# KiCad board MasterController.kicad_pcb (continued)
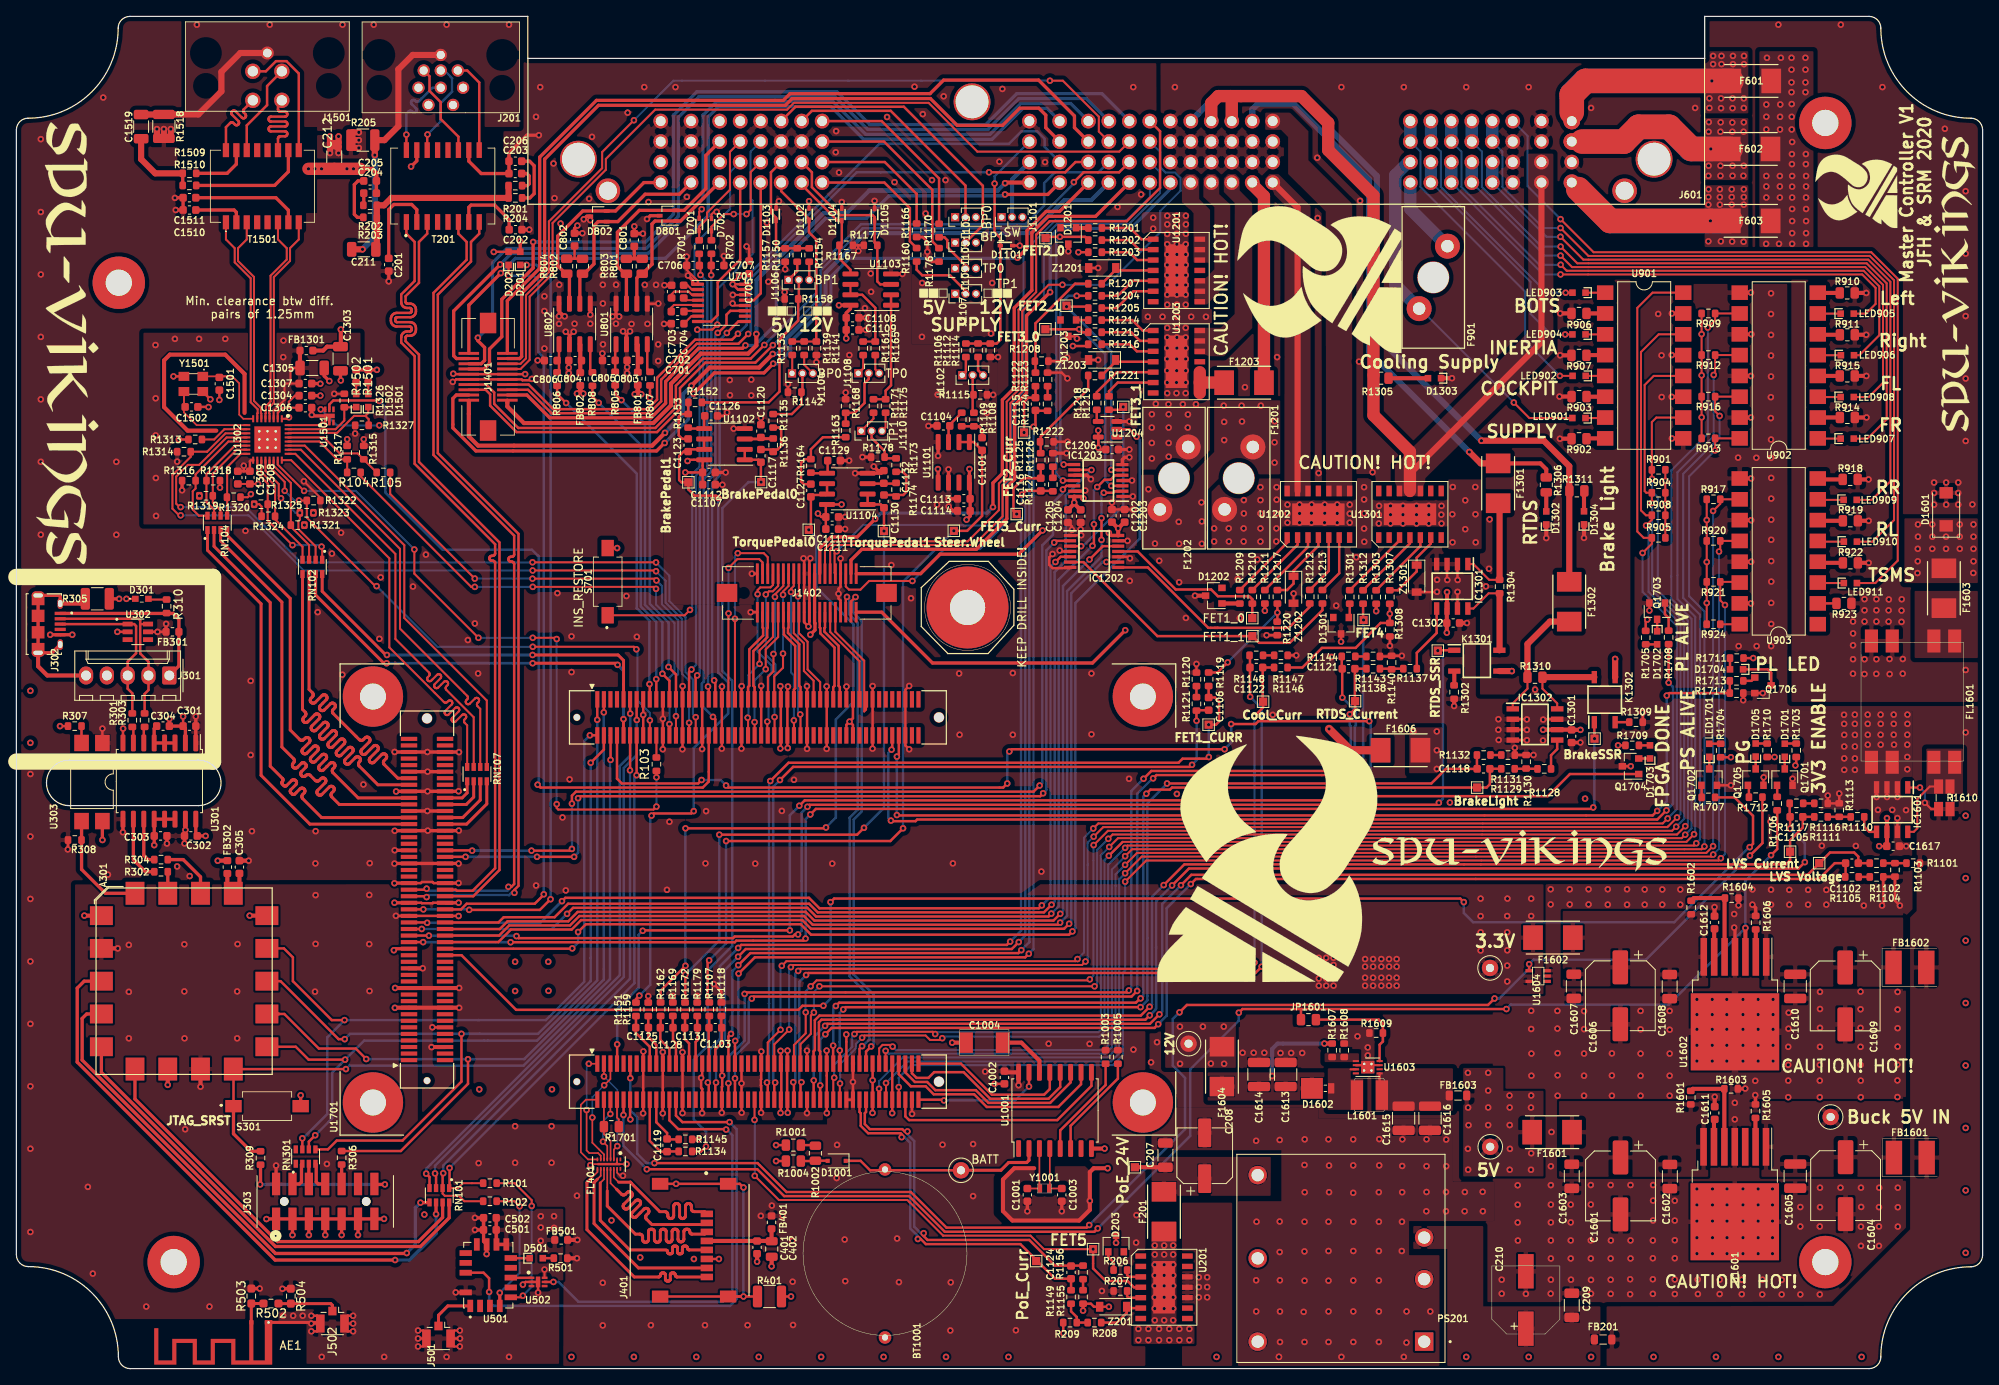
[diagram p0: board, top side]
## Routing (per net, layer and track width the routed paths; a pad name or vN(x,y) marks a point on that pad's centre or on a via; arc(x,y) is an arc through that point) (continued)
/Driverless/TXD2: length 51.5
  Top w0.25: U1302.26 34.72,112.12 46.83,100.02 46.83,90.3 55.03,82.09 55.07,82.04 55.1,81.98 55.11,81.91 55.11,81.85 55.1,81.78 55.07,81.72 55.03,81.67 54.93,81.58 54.89,81.52 54.86,81.46 54.85,81.4 54.85,81.33 54.86,81.26 54.89,81.2 54.93,81.15 54.99,81.11 55.05,81.08 55.11,81.06 55.18,81.06 55.24,81.08 55.31,81.11 55.36,81.15 55.97,81.76 56.02,81.8 56.08,81.83 56.15,81.85 56.21,81.85 56.28,81.83 56.34,81.8 56.39,81.76 56.44,81.71 56.46,81.65 56.48,81.58 56.48,81.52 56.46,81.45 56.44,81.39 56.39,81.34 56.3,81.24 56.26,81.19 56.23,81.13 56.21,81.07 56.21,81 56.23,80.93 56.26,80.87 56.3,80.82 56.62,80.5 RN107.6
/Driverless/TXD3: length 50.4
  Top w0.25: U1302.27 35.2,112.62 47.35,100.48 47.35,91.59 57.42,81.52 RN107.5
/Driverless/TXN: length 25.5
  Top w0.25: U1302.4 30.9,116.54 30.85,116.59 30.85,117.27 31.42,117.84 31.42,133.19 33.4,135.17 33.4,136.71 34.47,137.78 T1501.8
/Driverless/TXP: length 25.5
  Top w0.25: T1501.6 31.93,137.78 33,136.71 33,135.33 31.02,133.36 31.02,118.01 30.45,117.43 30.45,116.59 30.4,116.54 U1302.5
/Driverless/XI: length 12.8
  Top w0.2: U1302.9 22,115.12 20.45,116.67 20.45,119.22 20.45,117.5 C1502.1
/Driverless/XO: length 12.2
  Top w0.2: C1501.1 24.9,121.08 26.35,121.08 ; 26.35,121.08 Y1501.1 ; 26.35,121.08 27.2,120.22 27.2,116.4 27.7,115.9 U1302.8
/EEPROM/SCK_NVSRAM: length 25
  Top w0.3: U1001.11 128.68,34.92 126.18,32.42 118.66,32.42 117.11,33.97 112.17,33.97 111.17,34.97 109.67,34.97 108.51,36.13 U1701.JX2.95
/EEPROM/SI_NVSRAM: length 23.5
  Top w0.3: U1701.JX2.97 109.31,36.04 109.88,35.47 111.32,35.47 112.03,36.18 115.62,36.18 118.87,32.92 125.97,32.92 127.41,34.36 U1001.12
/EEPROM/SO_NVSRAM: length 19.9
  Top w0.3: U1001.13 126.14,34.12 125.45,33.43 119.07,33.43 115.28,37.22 U1701.JX2.99
/INS/GPS_PPS: length 13.6
  Top w0.25: v1(89.12,140.88) 89.62,141.37 89.62,146 90.85,147.22 ; R702.2 84.83,139.34 86.38,140.88 v1(87.55,140.88)
  Bottom w0.25: v1(87.55,140.88) v1(89.12,140.88)
/JTAG_UART Module/D+: length 20.7
  Top w0.3: R301.2 14.15,82.4 13.59,82.97 J301.3 13.59,86.26 14.61,87.28 14.61,90.62 14.38,90.85 U302.1 J302.3
/JTAG_UART Module/D-: length 22.8
  Top w0.3: 15.11,90.84 15.12,90.85 U302.6 ; 15.11,90.84 15.11,87.27 16.12,86.25 J301.2 16.12,82.8 15.65,82.33 R303.2 ; 15.11,90.84 15.11,91.29 14.9,91.5 J302.2
/JTAG_UART Module/DD+: length 8.1
  Top w0.4: U301.10 14.28,62.09 15.74,60.63 R302.2
/JTAG_UART Module/DD-: length 5.9
  Top w0.4: U301.11 15.55,62.62 16.06,62.11 R304.2
/JTAG_UART Module/JTAG_SRST: length 92.4
  Top w0.3: U1701.JX1.6 72.53,77.25 v1(72.53,74.28) ; S301.1 26.5,36.53 A301.9 v1(40.22,36.55)
  Top w0.4: 72.5,77.25 U1701.JX1.6 ; S301.1 26.5,28.65 28.62,26.53 R309.1
  Bottom w0.3: v1(40.22,36.55) 40.64,36.97 61.9,36.97 72.46,47.53 72.46,74.21 v1(72.53,74.28)
  Bottom w0.4: v1(72.53,74.28) 72.5,74.3
/JTAG_UART Module/JTAG_TCK: length 92.1
  Top w0.3: v1(70.9,79.17) 70.9,81.66 U1701.JX1.1 ; v1(36.48,28.47) 35.7,27.7 RN301.6 ; A301.10 34.1,39.28 35.67,37.7 v1(40.12,37.7)
  Bottom w0.3: v1(36.48,28.47) 38.55,30.55 38.55,36.12 v1(40.12,37.7) 42.45,40.03 57.52,40.03 63.54,40.03 70.9,47.38 70.9,79.17 v1(70.9,79.17)
/JTAG_UART Module/JTAG_TDI: length 105.4
  Top w0.3: U1701.JX1.4 71.71,75.53 v1(70.1,73.92) ; A301.12 32.25,47.28 39.33,40.2 v1(40.08,40.2) ; v1(54.33,40.85) 54.33,35.03 47.12,27.82 39.1,27.82 38.03,26.75 RN301.5
  Bottom w0.3: 56.58,40.85 40.72,40.85 v1(40.08,40.2) ; 56.58,40.85 63.66,40.85 70.1,47.29 70.1,50.13 ; 56.58,40.85 v1(54.33,40.85) ; v1(70.1,73.92) 70.1,50.13 ; 70.1,50.13 70.09,50.12
/JTAG_UART Module/JTAG_TDO: length 104.9
  Top w0.3: U1701.JX1.3 71.71,80.08 v1(71.7,80.08) ; A301.11 32.7,43.28 36.92,39.05 41.42,39.05 v1(42.7,37.78) ; R306.2 46.93,26.55 55.12,34.75 v1(55.12,37.75)
  Top w0.4: A301.11 32,43.28
  Bottom w0.3: 71.7,48.76 71.7,47.47 62,37.77 42.7,37.77 v1(42.7,37.78) ; 71.7,48.76 v1(71.7,80.08) ; 71.7,48.76 71.71,48.75
/JTAG_UART Module/JTAG_TMS: length 95.2
  Top w0.3: v1(40.05,42.53) 38.5,42.53 33.75,47.28 33.75,50.18 32.65,51.28 A301.13 ; v1(34.9,28.1) RN301.7 ; U1701.JX1.2 70.9,77.28 v1(70,77.28)
  Bottom w0.3: v1(70,77.28) 69.31,76.58 69.31,47.21 64.63,42.53 v1(40.05,42.53) 37.95,40.42 37.95,31.06 34.99,28.1 v1(34.9,28.1)
/JTAG_UART Module/UART_CTS: length 71.3
  Top w0.4: A301.3 8.27,47.28 7.42,46.42 7.42,37.4 31.58,13.25 v1(46.22,13.25) ; RN101.6 v1(51.22,18.85)
  Bottom w0.4: v1(51.22,18.85) 51.22,16.49 47.98,13.25 v1(46.22,13.25)
/JTAG_UART Module/UART_RTS: length 65
  Top w0.4: v1(49.33,20.25) 50.4,20.25 RN101.5 ; A301.4 8.57,43.28 8.02,42.73 8.02,37.65 31.63,14.05 47.6,14.05 v1(47.65,14.1)
  Bottom w0.4: v1(49.33,20.25) 48.7,19.62 48.7,15.15 v1(47.65,14.1)
/JTAG_UART Module/UART_RXD: length 57.7
  Top w0.4: A301.5 10.38,36.15 31.63,14.9 49.32,14.9 52.83,18.4 RN101.8
/JTAG_UART Module/UART_TXD: length 51.5
  Top w0.4: A301.6 14.48,32.9 31.87,15.5 49.08,15.5 52.03,18.45 RN101.7
/JTAG_UART Module/UD+: length 2
  Top w0.3: U301.7 14.28,78.17 R301.1
/JTAG_UART Module/UD-: length 2
  Top w0.3: U301.6 15.55,78.2 R303.1
/JTAG_UART Module/USB_D_N: length 6.9
  Top w0.4: A301.16 22.48,60 20.37,62.11 R304.1
/JTAG_UART Module/USB_D_P: length 2.6
  Top w0.4: R302.1 18.48,58 A301.17
/JTAG_UART Module/VB: length 22.1
  Top w0.4: J302.1 19.12,92.15 19.84,91.44 FB301.1 19.84,85.75 J301.1
/Liveview/ETH0_RX_N: length 11.8
  Top w0.3: v1(47.6,150.57) 47.61,150.57 T201.16
  Bottom w0.3: v1(47.6,150.57) 47.6,153.12 47.88,153.4 47.93,153.44 47.99,153.47 48.05,153.48 48.12,153.48 48.19,153.47 48.25,153.44 48.3,153.4 48.34,153.36 48.39,153.32 48.45,153.29 48.52,153.27 48.59,153.27 48.65,153.29 48.71,153.32 48.76,153.36 48.81,153.41 48.84,153.47 48.85,153.54 48.85,153.61 48.84,153.67 48.81,153.73 48.76,153.78 48.26,154.29 48.22,154.34 48.19,154.4 48.17,154.47 48.17,154.53 48.19,154.6 48.22,154.66 48.26,154.71 48.31,154.75 48.37,154.78 48.44,154.8 48.51,154.8 48.57,154.78 48.63,154.75 48.69,154.71 48.72,154.67 48.78,154.63 48.84,154.6 48.9,154.59 48.97,154.59 49.04,154.6 49.1,154.63 49.15,154.67 50.77,156.3 J201.8
/Liveview/ETH0_RX_P: length 11.8
  Top w0.3: v1(50.18,150.59) 50.14,150.55 T201.14
  Bottom w0.3: v1(50.18,150.59) 51.75,152.16 51.75,154.38 53.17,155.8 53.17,157.47 52.25,158.4 J201.5
/Liveview/ETH0_TX_N: length 11.5
  Top w0.3: J201.4 50.42,157.69 50.42,155.9 51.8,154.53 51.8,152.47 53.95,150.32 T201.11
/Liveview/ETH0_TX_P: length 11.5
  Top w0.3: T201.9 56.5,156.93 55.03,158.4 J201.6
/Liveview/Vo_24V_PoE: length 3.7
  Top w0.5: C207.1 TP201.1
/LVSC_V: length 3
  Top w0.3: IC1601.5 226.16,65.5 225.55,66.11 R1110.2
/PicoZed/AMS_FET_In: length 126.7
  Top w0.3: U1701.JX3.43 50.1,54.44 v1(50.14,54.4) ; IC1202.5 127.46,99.06 v1(126.82,98.42) ; v1(125.17,56.53) 124.81,56.17 98.02,56.17 96.75,57.44 67,57.44 v1(66.6,57.04)
  Bottom w0.3: v1(126.82,98.42) 126.23,97.83 126.23,57.59 v1(125.17,56.53) ; 64.6,55.05 v1(66.6,57.04) 63.95,54.4 v1(50.14,54.4)
/PicoZed/Brake_SSR_In: length 170.4
  Top w0.3: v1(49.65,52.04) U1701.JX3.37 ; v1(192.47,68.47) 192.3,68.3 97.59,68.3 v1(96.91,67.62) ; v1(96.32,52.48) 96.08,52.23 89.92,52.23 87.88,52.23 87.68,52.03 v1(60.33,52.03) ; 192.6,78.87 K1302.1 192.6,76.89 v1(192.63,76.87)
  Bottom w0.3: v1(192.63,76.87) 192.62,76.86 192.62,68.62 v1(192.47,68.47) ; v1(96.91,67.62) 96.35,67.06 96.35,52.5 v1(96.32,52.48) ; v1(49.65,52.04) 60.31,52.04 v1(60.33,52.03)
/PicoZed/BT_ConfigSel: length 67.5
  Top w0.3: v1(87.05,30.08) 81.3,30.08 80.51,30.87 U1701.JX2.26 ; v1(57.7,9.35) 57.7,11.03 57.03,11.7 U501.16
  Bottom w0.3: v1(57.7,9.35) 57.7,8.18 58.22,7.65 87.1,7.65 87.9,8.45 87.9,29.22 v1(87.05,30.08)
/PicoZed/BT_Reset: length 54.5
  Top w0.3: v1(86.63,29.17) 86.58,29.22 80.79,29.22 79.71,30.29 U1701.JX2.24 ; U502.5 v1(65.55,10.57)
  Bottom w0.3: 86.66,29.22 87.4,28.47 87.4,9.32 86.23,8.15 68.6,8.15 66.17,10.57 v1(65.55,10.57)
/PicoZed/Cool_FET_In: length 144.1
  Top w0.3: v1(76.45,53.43) 76.5,53.48 v1(94.41,53.48) ; R1312.2 164.38,91.41 v1(164.44,91.35) ; v1(95.57,68.68) 96.23,69.34 163.96,69.34 v1(164.39,69.77) ; v1(73.33,39.57) 73.33,37.24 U1701.JX2.7
  Bottom w0.3: v1(94.41,53.48) 94.41,67.52 v1(95.57,68.68) ; v1(73.33,39.57) 73.33,43.86 75.95,46.48 75.95,52.93 v1(76.45,53.43) ; 164.38,69.78 v1(164.39,69.77) 164.38,69.78 ; 164.38,69.78 164.38,91.29 v1(164.44,91.35)
/PicoZed/DASH_AMS_SEL: length 125.7
  Top w0.3: v1(133.05,98.42) 133.06,98.41 IC1202.9 ; v1(128.5,54.28) 127.89,53.67 96.99,53.67 95.93,54.73 68.93,54.73 67.78,53.58 60.36,53.58 58.82,52.04 U1701.JX3.38
  Bottom w0.3: v1(128.5,54.28) 128.75,54.53 128.75,94.6 132.57,98.42 v1(133.05,98.42)
/PicoZed/Dash_FET_In: length 125.6
  Top w0.3: v1(130.98,98.73) 132.61,100.35 132.61,100.36 IC1202.12 ; U1701.JX3.42 59.01,53.64 59.95,54.58 67.37,54.58 68.51,55.73 96.34,55.73 97.4,54.67 126.59,54.67 v1(127.42,55.5)
  Bottom w0.3: v1(130.98,98.73) 127.75,95.49 127.75,55.83 v1(127.42,55.5)
/PicoZed/ETH0_PHY_LED0: length 98
  Top w0.3: v1(55.28,55.97) 63.9,55.97 v1(65.2,57.28) ; 61.53,134.65 D201.1 v1(62.28,134.67) ; U1701.JX3.47 49.67,56.04 v1(49.67,56.03)
  Bottom w0.3: v1(65.2,57.28) 65.2,132.94 63.47,134.67 v1(62.28,134.67) ; v1(49.67,56.03) 55.22,56.03 v1(55.28,55.97)
/PicoZed/ETH0_PHY_LED1: length 93.2
  Top w0.3: v1(60.08,133.35) D202.1 ; U1701.JX3.48 54.28,56.04 54.96,56.72 63.28,56.72 64.38,57.83 v1(64.38,57.88)
  Bottom w0.3: v1(64.38,57.88) 64.38,123.38 63.7,124.05 63.7,132.8 63.15,133.35 v1(60.08,133.35)
/PicoZed/ETH0_PHY_MD1N: length 101.4
  Top w0.3: v1(60.06,58.79) 60.41,58.79 60.76,59.13 60.76,98.16 60.75,98.23 60.73,98.29 60.69,98.35 60.65,98.39 60.59,98.43 60.53,98.45 60.46,98.46 60.37,98.46 60.3,98.47 60.24,98.49 60.18,98.53 60.13,98.57 60.1,98.63 60.07,98.69 60.07,98.76 60.07,98.83 60.1,98.89 60.13,98.95 60.18,98.99 60.24,99.03 60.3,99.05 60.37,99.06 60.46,99.06 60.53,99.07 60.59,99.09 60.65,99.13 60.69,99.17 60.73,99.23 60.75,99.29 60.76,99.36 60.76,101.64 50.91,111.49 50.91,131.26 54.96,135.31 54.96,137.48 53.95,138.48 T201.6 ; U1701.JX3.53 49.95,58.44 v1(50.08,58.56)
  Bottom w0.3: v1(50.08,58.56) 50.33,58.31 59.94,58.31 60.06,58.44 v1(60.06,58.79)
/PicoZed/ETH0_PHY_MD1P: length 101.4
  Top w0.3: v1(60.79,58.06) 60.79,58.41 61.29,58.92 61.29,101.86 51.44,111.71 51.44,131.04 55.49,135.09 55.49,137.48 56.5,138.48 T201.8 ; v1(50.08,57.53) 49.97,57.64 U1701.JX3.51
  Bottom w0.3: v1(60.79,58.06) 60.44,58.06 60.16,57.78 50.33,57.78 v1(50.08,57.53)
/PicoZed/ETH0_PHY_MD2N: length 98.8
  Top w0.3: T201.1 47.61,138.48 48.61,137.48 48.61,132.71 46.98,131.07 46.98,130.14 46.99,129.98 47.05,129.83 47.13,129.69 47.25,129.58 47.38,129.49 47.54,129.44 47.7,129.42 48.01,129.42 48.06,129.41 48.11,129.4 48.15,129.37 48.19,129.33 48.22,129.29 48.24,129.24 48.24,129.18 48.24,129.05 48.24,129 48.22,128.95 48.19,128.91 48.15,128.87 48.11,128.84 48.06,128.82 48.01,128.82 46.43,128.82 46.27,128.8 46.12,128.75 45.98,128.66 45.87,128.55 45.78,128.41 45.73,128.26 45.71,128.1 45.71,127.88 45.73,127.72 45.78,127.57 45.87,127.43 45.98,127.32 46.12,127.23 46.27,127.18 46.43,127.16 48.01,127.16 48.06,127.15 48.11,127.14 48.15,127.11 48.19,127.07 48.22,127.03 48.24,126.98 48.24,126.92 48.24,126.79 48.24,126.74 48.22,126.69 48.19,126.65 48.15,126.61 48.11,126.58 48.06,126.56 48.01,126.56 47.7,126.56 47.54,126.54 47.38,126.49 47.25,126.4 47.13,126.29 47.05,126.15 46.99,126 46.98,125.84 46.98,125.19 48.61,123.55 48.61,110.42 58.44,100.59 58.44,99.47 58.43,99.41 58.41,99.34 58.37,99.29 58.32,99.24 58.27,99.2 58.2,99.18 58.14,99.17 58.04,99.17 57.97,99.17 57.91,99.15 57.85,99.11 57.8,99.06 57.77,99.01 57.74,98.94 57.74,98.88 57.74,98.81 57.77,98.74 57.8,98.69 57.85,98.64 57.91,98.6 57.97,98.58 58.04,98.58 58.14,98.58 58.2,98.57 58.27,98.55 58.32,98.51 58.37,98.46 58.41,98.41 58.43,98.34 58.44,98.28 58.44,61.06 55.68,58.31 53.76,58.31 53.62,58.44 U1701.JX3.54
/PicoZed/ETH0_PHY_MD2P: length 98.8
  Top w0.3: T201.3 50.14,138.48 49.14,137.48 49.14,132.49 47.51,130.85 47.51,130.18 47.51,130.13 47.53,130.08 47.56,130.04 47.59,130 47.64,129.97 47.69,129.95 47.74,129.95 48.05,129.95 48.21,129.93 48.36,129.88 48.5,129.79 48.61,129.68 48.7,129.54 48.75,129.39 48.77,129.23 48.77,129.01 48.75,128.85 48.7,128.7 48.61,128.56 48.5,128.45 48.36,128.36 48.21,128.31 48.05,128.29 46.48,128.29 46.42,128.28 46.37,128.27 46.33,128.24 46.29,128.2 46.26,128.16 46.25,128.11 46.24,128.05 46.24,127.92 46.25,127.87 46.26,127.82 46.29,127.78 46.33,127.74 46.37,127.71 46.42,127.69 46.48,127.69 48.05,127.69 48.21,127.67 48.36,127.62 48.5,127.53 48.61,127.42 48.7,127.28 48.75,127.13 48.77,126.97 48.77,126.75 48.75,126.59 48.7,126.44 48.61,126.3 48.5,126.19 48.36,126.1 48.21,126.05 48.05,126.03 47.74,126.03 47.69,126.02 47.64,126.01 47.59,125.98 47.56,125.94 47.53,125.9 47.51,125.85 47.51,125.79 47.51,125.37 49.14,123.73 49.14,110.63 58.97,100.81 58.97,60.84 55.76,57.64 U1701.JX3.52
/PicoZed/ETH1_COL: length 61.3
  Top w0.25: U1701.JX1.24 79.71,77.27 v1(79.71,78.65) ; v1(78.08,95.15) 77.84,95.39 v1(63.03,95.39) ; R104.2 42.03,108.88 55.51,95.39 v1(55.95,95.39)
  Bottom w0.25: v1(55.95,95.39) 55.95,95.39 v1(63.03,95.39) ; v1(78.08,95.15) 78.08,93.23 80.33,90.98 80.33,84.93 79.72,84.33 79.72,78.66 v1(79.71,78.65)
/PicoZed/ETH1_CRS: length 59.6
  Top w0.25: v1(55.95,96.4) 45.62,106.72 R105.2 ; v1(62.99,96.39) 77.91,96.39 v1(78.12,96.17) ; v1(80.51,79.61) U1701.JX1.26
  Bottom w0.25: v1(55.95,96.4) 55.96,96.39 v1(62.99,96.39) ; v1(78.12,96.17) 78.12,96.17 78.8,95.5 78.8,93.28 80.78,91.3 80.78,84.74 80.51,84.47 v1(80.51,79.61)
/PicoZed/ETH1_INT: length 67.9
  Top w0.25: U1302.21 30.9,110.04 32.75,108.19 v1(32.75,107.11) ; v1(34.5,105.92) R1322.2 35.45,103.84 43.81,95.48 v1(43.97,95.48) ; v1(75.67,87.78) 75.37,88.08 v1(63.03,88.08) ; v1(77.33,79.1) 77.33,77.28 U1701.JX1.18
  Bottom w0.25: v1(43.97,95.48) 51.37,88.08 v1(63.03,88.08) ; v1(32.75,107.11) 33.94,105.92 v1(34.5,105.92) ; v1(75.67,87.78) 75.8,87.65 75.8,81.55 77.33,80.03 v1(77.33,79.1)
/PicoZed/ETH1_MDC: length 98.6
  Top w0.25: U1302.12 25.66,113.62 22.31,110.27 20.93,110.27 19.5,108.84 19.5,105.55 19.93,105.12 v1(20.05,105.12) ; U1701.JX1.32 82.92,77.28 v1(82.92,79.49) ; v1(78.08,98.38) 78.06,98.39 v1(63,98.39)
  Bottom w0.25: v1(63,98.39) 34.71,98.39 27.98,105.12 ; 27.98,105.12 27.98,105.11 ; 27.98,105.12 v1(20.05,105.12) ; v1(82.92,79.49) 82.56,79.85 82.56,84.1 81.68,84.99 81.68,91.67 79.7,93.65 79.7,96.75 v1(78.08,98.38)
/PicoZed/ETH1_MDIO: length 99.5
  Top w0.25: U1302.11 25.52,114.12 23.27,111.88 23.27,111.88 R1314.2 21.28,111.26 19.05,109.03 19.05,104.93 19.86,104.12 v1(20.05,104.12) ; v1(78.08,97.3) 77.99,97.39 v1(63.01,97.39) ; v1(82.11,78.81) 82.11,77.27 U1701.JX1.30
  Bottom w0.25: v1(63.01,97.39) 35.06,97.39 28.33,104.12 v1(20.05,104.12) ; v1(82.11,78.81) 82.11,83.91 81.23,84.8 81.23,91.49 79.25,93.46 79.25,96.12 78.08,97.3 v1(78.08,97.3)
/PicoZed/ETH1_PHY_RST: length 95.6
  Top w0.3: v1(44.3,118.08) 44.24,118.13 38.68,118.13 38.2,117.65 U1501.5 ; v1(63.62,71.25) 63.97,70.9 83.78,70.9 84.51,71.64 U1701.JX1.36 84.46,77.31
  Bottom w0.3: 63.78,99.07 63.78,71.4 v1(63.62,71.25) ; 63.78,99.07 63.6,99.25 ; 63.78,99.07 62.92,99.92 52.03,99.92 45.05,106.9 45.05,117.32 v1(44.3,118.08)
/PicoZed/ETH1_RX_CLK: length 52
  Top w0.36: RN102.5 34.92,80.44 35.24,80.13 35.29,80.06 35.32,79.99 35.34,79.91 35.34,79.83 35.32,79.75 35.29,79.68 35.24,79.62 35.07,79.45 35.02,79.38 34.98,79.31 34.96,79.23 34.96,79.15 34.98,79.07 35.02,79 35.07,78.94 35.13,78.89 35.2,78.85 35.28,78.83 35.36,78.83 35.44,78.85 35.51,78.89 35.57,78.94 36.43,79.79 36.49,79.84 36.56,79.88 36.64,79.89 36.72,79.89 36.8,79.88 36.87,79.84 36.94,79.79 36.99,79.73 37.02,79.66 37.04,79.58 37.04,79.5 37.02,79.42 36.99,79.34 36.94,79.28 36.08,78.43 36.03,78.37 36,78.29 35.98,78.21 35.98,78.13 36,78.05 36.03,77.98 36.08,77.92 36.15,77.87 36.22,77.83 36.3,77.82 36.38,77.82 36.46,77.83 36.53,77.87 36.59,77.92 37.45,78.77 37.51,78.82 37.58,78.86 37.66,78.88 37.74,78.88 37.82,78.86 37.89,78.82 37.96,78.77 38.01,78.71 38.04,78.64 38.06,78.56 38.06,78.48 38.04,78.4 38.01,78.33 37.96,78.26 37.1,77.41 37.05,77.35 37.02,77.27 37,77.2 37,77.11 37.02,77.04 37.05,76.96 37.1,76.9 37.17,76.85 37.24,76.82 37.32,76.8 37.4,76.8 37.48,76.82 37.55,76.85 37.61,76.9 38.46,77.75 38.53,77.8 38.6,77.84 38.68,77.86 38.76,77.86 38.84,77.84 38.91,77.8 38.97,77.75 39.02,77.69 39.06,77.62 39.08,77.54 39.08,77.46 39.06,77.38 39.02,77.31 38.97,77.25 38.12,76.39 38.07,76.33 38.04,76.26 38.02,76.18 38.02,76.1 38.04,76.02 38.07,75.95 38.12,75.88 38.18,75.83 38.26,75.8 38.33,75.78 38.42,75.78 38.49,75.8 38.57,75.83 38.63,75.88 39.48,76.74 39.55,76.79 39.62,76.82 39.7,76.84 39.78,76.84 39.86,76.82 39.93,76.79 39.99,76.74 40.04,76.67 40.08,76.6 40.1,76.52 40.1,76.44 40.08,76.36 40.04,76.29 39.99,76.23 39.14,75.37 39.09,75.31 39.05,75.24 39.04,75.16 39.04,75.08 39.05,75 39.09,74.93 39.14,74.86 39.2,74.81 39.27,74.78 39.35,74.76 39.43,74.76 39.51,74.78 39.58,74.81 39.65,74.86 40.5,75.72 40.56,75.77 40.64,75.8 40.72,75.82 40.8,75.82 40.87,75.8 40.95,75.77 41.01,75.72 41.06,75.65 41.1,75.58 41.11,75.5 41.11,75.42 41.1,75.34 41.06,75.27 41.01,75.21 40.16,74.36 40.11,74.29 40.07,74.22 40.05,74.14 40.05,74.06 40.07,73.98 40.11,73.91 40.16,73.85 40.22,73.8 40.29,73.76 40.37,73.74 40.45,73.74 40.53,73.76 40.6,73.8 40.67,73.85 41.38,74.56 41.44,74.61 41.51,74.64 41.59,74.66 41.67,74.66 41.75,74.64 41.82,74.61 41.89,74.56 41.94,74.5 41.97,74.42 41.99,74.34 41.99,74.26 41.97,74.18 41.94,74.11 41.89,74.05 41.86,74.02 41.81,73.96 41.77,73.88 41.75,73.8 41.75,73.72 41.77,73.64 41.81,73.57 41.86,73.51 44.13,71.24 U1701.JX3.85
/PicoZed/ETH1_RX_DV: length 47.2
  Top w0.25: 74.11,86.42 74.05,86.47
  Top w0.36: RN102.8 37.33,94.85 45.09,87.08 v1(45.23,87.08) ; U1701.JX1.9 74.11,86.42 73.44,87.08 v1(63,87.08)
  Bottom w0.36: v1(45.23,87.08) v1(63,87.08)
/PicoZed/ETH1_RX_ER: length 51.9
  Top w0.25: 73.19,86.07 73.38,85.88 v1(73.38,85.88) ; 74.1,77.28 U1701.JX1.10
  Top w0.36: v1(74.1,79.25) 74.1,77.28 ; v1(63.02,86.07) 73.19,86.07 ; v1(45.19,86.07) 44.86,86.07 36.52,94.4 RN102.7
  Bottom w0.36: v1(74.1,79.25) 74.1,85.15 v1(73.38,85.88) ; v1(45.19,86.07) v1(63.02,86.07)
/PicoZed/ETH1_RXD0: length 55.7
  Top w0.36: U1701.JX3.81 41.71,69.64 38.66,72.7 38.61,72.76 38.57,72.83 38.55,72.91 38.55,72.99 38.57,73.07 38.61,73.14 38.66,73.21 38.79,73.34 38.84,73.4 38.87,73.47 38.89,73.55 38.89,73.63 38.87,73.71 38.84,73.78 38.79,73.85 38.72,73.9 38.65,73.93 38.57,73.95 38.49,73.95 38.41,73.93 38.34,73.9 38.28,73.85 37.51,73.07 37.44,73.02 37.37,72.99 37.29,72.97 37.21,72.97 37.13,72.99 37.06,73.02 37,73.07 36.95,73.14 36.91,73.21 36.89,73.29 36.89,73.37 36.91,73.45 36.95,73.52 37,73.58 37.77,74.35 37.82,74.42 37.85,74.49 37.87,74.57 37.87,74.65 37.85,74.73 37.82,74.8 37.77,74.86 37.71,74.91 37.63,74.95 37.55,74.97 37.47,74.97 37.4,74.95 37.32,74.91 37.26,74.86 36.49,74.09 36.43,74.04 36.35,74.01 36.27,73.99 36.19,73.99 36.12,74.01 36.04,74.04 35.98,74.09 35.93,74.16 35.89,74.23 35.88,74.31 35.88,74.39 35.89,74.47 35.93,74.54 35.98,74.6 36.75,75.37 36.8,75.44 36.84,75.51 36.85,75.59 36.85,75.67 36.84,75.75 36.8,75.82 36.75,75.88 36.69,75.93 36.61,75.97 36.54,75.99 36.46,75.99 36.38,75.97 36.3,75.93 36.24,75.88 35.47,75.11 35.41,75.06 35.33,75.03 35.26,75.01 35.18,75.01 35.1,75.03 35.02,75.06 34.96,75.11 34.91,75.17 34.88,75.25 34.86,75.33 34.86,75.41 34.88,75.48 34.91,75.56 34.96,75.62 35.73,76.39 35.78,76.45 35.82,76.53 35.84,76.61 35.84,76.69 35.82,76.76 35.78,76.84 35.73,76.9 35.67,76.95 35.6,76.99 35.52,77 35.44,77 35.36,76.99 35.29,76.95 35.22,76.9 35.09,76.77 35.03,76.72 34.96,76.68 34.88,76.67 34.8,76.67 34.72,76.68 34.65,76.72 34.58,76.77 33.42,77.93 33.42,93.98 25.73,101.68 RN104.4
/PicoZed/ETH1_RXD1: length 55.8
  Top w0.36: RN104.3 24.92,101.01 32.41,93.52 32.41,75.85 33.83,74.42 33.88,74.36 33.92,74.29 33.93,74.21 33.93,74.13 33.92,74.05 33.88,73.98 33.83,73.91 33.79,73.88 33.74,73.81 33.71,73.74 33.69,73.66 33.69,73.58 33.71,73.5 33.74,73.43 33.79,73.37 33.85,73.32 33.93,73.28 34.01,73.26 34.09,73.26 34.17,73.28 34.24,73.32 34.3,73.37 34.8,73.86 34.85,73.9 34.9,73.93 34.97,73.95 35.03,73.95 35.09,73.93 35.15,73.9 35.2,73.86 35.31,73.76 35.35,73.71 35.37,73.65 35.39,73.59 35.39,73.52 35.37,73.46 35.35,73.4 35.31,73.35 34.81,72.86 34.76,72.79 34.72,72.72 34.71,72.64 34.71,72.56 34.72,72.48 34.76,72.41 34.81,72.35 34.87,72.3 34.95,72.26 35.02,72.25 35.1,72.25 35.18,72.26 35.26,72.3 35.32,72.35 35.36,72.39 35.42,72.44 35.49,72.47 35.57,72.49 35.65,72.49 35.73,72.47 35.8,72.44 35.87,72.39 36.47,71.79 36.53,71.74 36.6,71.7 36.68,71.68 36.76,71.68 36.84,71.7 36.91,71.74 36.98,71.79 37.17,71.98 37.23,72.03 37.3,72.06 37.38,72.08 37.46,72.08 37.54,72.06 37.61,72.03 37.68,71.98 37.73,71.92 37.76,71.84 37.78,71.76 37.78,71.68 37.76,71.6 37.73,71.53 37.68,71.47 36.78,70.58 36.73,70.51 36.7,70.44 36.68,70.36 36.68,70.28 36.7,70.2 36.73,70.13 36.78,70.07 36.85,70.02 36.92,69.98 37,69.96 37.08,69.96 37.16,69.98 37.23,70.02 37.29,70.07 38.19,70.96 38.25,71.01 38.32,71.05 38.4,71.06 38.48,71.06 38.56,71.05 38.63,71.01 38.7,70.96 38.75,70.9 38.78,70.82 38.8,70.75 38.8,70.67 38.78,70.59 38.75,70.51 38.7,70.45 38.5,70.26 38.45,70.2 38.42,70.12 38.4,70.04 38.4,69.96 38.42,69.89 38.45,69.81 38.5,69.75 39.41,68.84 U1701.JX3.79
/PicoZed/ETH1_RXD2: length 55.7
  Top w0.36: U1701.JX3.75 37.25,67.24 34.95,69.55 34.9,69.61 34.86,69.68 34.84,69.76 34.84,69.84 34.86,69.92 34.9,69.99 34.95,70.06 35.12,70.23 35.17,70.29 35.2,70.36 35.22,70.44 35.22,70.52 35.2,70.6 35.17,70.67 35.12,70.73 35.05,70.79 34.98,70.82 34.9,70.84 34.82,70.84 34.74,70.82 34.67,70.79 34.61,70.73 34,70.13 33.96,70.09 33.91,70.07 33.85,70.06 33.79,70.06 33.74,70.07 33.69,70.09 33.64,70.13 33.49,70.28 33.46,70.32 33.43,70.37 33.42,70.43 33.42,70.49 33.43,70.54 33.46,70.59 33.49,70.64 34.1,71.24 34.15,71.31 34.18,71.38 34.2,71.46 34.2,71.54 34.18,71.62 34.15,71.69 34.1,71.75 34.04,71.8 33.96,71.84 33.88,71.86 33.8,71.86 33.73,71.84 33.65,71.8 33.59,71.75 32.99,71.15 32.94,71.11 32.89,71.09 32.83,71.08 32.78,71.08 32.72,71.09 32.67,71.11 32.62,71.15 32.48,71.3 32.44,71.34 32.42,71.39 32.4,71.45 32.4,71.51 32.42,71.56 32.44,71.61 32.51,71.7 32.54,71.75 32.55,71.81 32.55,71.87 32.54,71.92 32.51,71.97 32.48,72.02 30.99,73.51 30.99,93.47 24.12,100.33 RN104.2
/PicoZed/ETH1_RXD3: length 53.2
  Top w0.36: RN104.1 23.33,99.86 29.87,93.32 29.87,72.39 35.82,66.44 U1701.JX3.73
/PicoZed/ETH1_TX_CLK: length 44.6
  Top w0.36: U1701.JX3.87 46.56,72.04 44.9,73.71 44.85,73.77 44.81,73.84 44.79,73.92 44.79,74 44.81,74.08 44.85,74.15 44.9,74.22 45.1,74.41 45.15,74.48 45.18,74.55 45.2,74.63 45.2,74.71 45.18,74.79 45.15,74.86 45.1,74.92 45.03,74.97 44.96,75.01 44.88,75.03 44.8,75.03 44.72,75.01 44.65,74.97 44.59,74.92 43.68,74.02 43.62,73.97 43.55,73.93 43.47,73.91 43.39,73.91 43.31,73.93 43.24,73.97 43.17,74.02 43.12,74.08 43.09,74.15 43.07,74.23 43.07,74.31 43.09,74.39 43.12,74.46 43.17,74.53 44.08,75.43 44.13,75.49 44.16,75.57 44.18,75.65 44.18,75.73 44.16,75.8 44.13,75.88 44.08,75.94 44.01,75.99 43.94,76.03 43.86,76.04 43.78,76.04 43.7,76.03 43.63,75.99 43.57,75.94 42.66,75.04 42.6,74.99 42.53,74.95 42.45,74.93 42.37,74.93 42.29,74.95 42.22,74.99 42.15,75.04 42.1,75.1 42.07,75.17 42.05,75.25 42.05,75.33 42.07,75.41 42.1,75.48 42.15,75.54 43.06,76.45 43.11,76.51 43.14,76.59 43.16,76.66 43.16,76.74 43.14,76.82 43.11,76.9 43.06,76.96 43,77.01 42.92,77.04 42.85,77.06 42.76,77.06 42.69,77.04 42.61,77.01 42.55,76.96 42.35,76.76 42.29,76.71 42.22,76.68 42.14,76.66 42.06,76.66 41.98,76.68 41.91,76.71 41.84,76.76 38.67,79.93 38.62,79.99 38.59,80.06 38.57,80.14 38.57,80.22 38.59,80.3 38.62,80.38 38.67,80.44 38.83,80.6 38.88,80.66 38.92,80.73 38.94,80.81 38.94,80.89 38.92,80.97 38.88,81.04 38.83,81.11 38.77,81.16 38.7,81.19 38.62,81.21 38.54,81.21 38.46,81.19 38.39,81.16 38.33,81.11 37.6,80.38 37.54,80.33 37.47,80.3 37.39,80.28 37.31,80.28 37.23,80.3 37.16,80.33 37.09,80.38 37.04,80.45 37.01,80.52 36.99,80.6 36.99,80.68 37.01,80.76 37.04,80.83 37.09,80.89 37.82,81.62 37.87,81.68 37.9,81.75 37.92,81.83 37.92,81.91 37.9,81.99 37.87,82.06 37.82,82.13 37.75,82.18 37.68,82.21 37.6,82.23 37.52,82.23 37.44,82.21 37.37,82.18 37.31,82.13 36.48,81.3 36.42,81.25 36.34,81.21 36.26,81.19 36.18,81.19 36.11,81.21 36.03,81.25 35.97,81.3 35.92,81.36 35.88,81.43 35.87,81.51 35.87,81.59 35.88,81.67 35.92,81.74 35.97,81.81 36.13,81.97 36.18,82.03 36.21,82.1 36.23,82.18 36.23,82.26 36.21,82.34 36.18,82.41 36.13,82.47 35.73,82.88 RN102.6
